# Altium PCB Goldstrike1_Rev01 2014 06 02 2.PcbDoc (part 6 of 6)
Units mm, origin at the board's own origin, x right, y up, seen from the top; angles counter-clockwise.
Board outline 110 x 255.5 mm, 4 copper layers (L1, L2, L3, L4), stack 1.577 mm thick; 658 components, 193 nets, 4346 pads, 2120 vias.
Unrouted connection lines stored in the file: 1041.
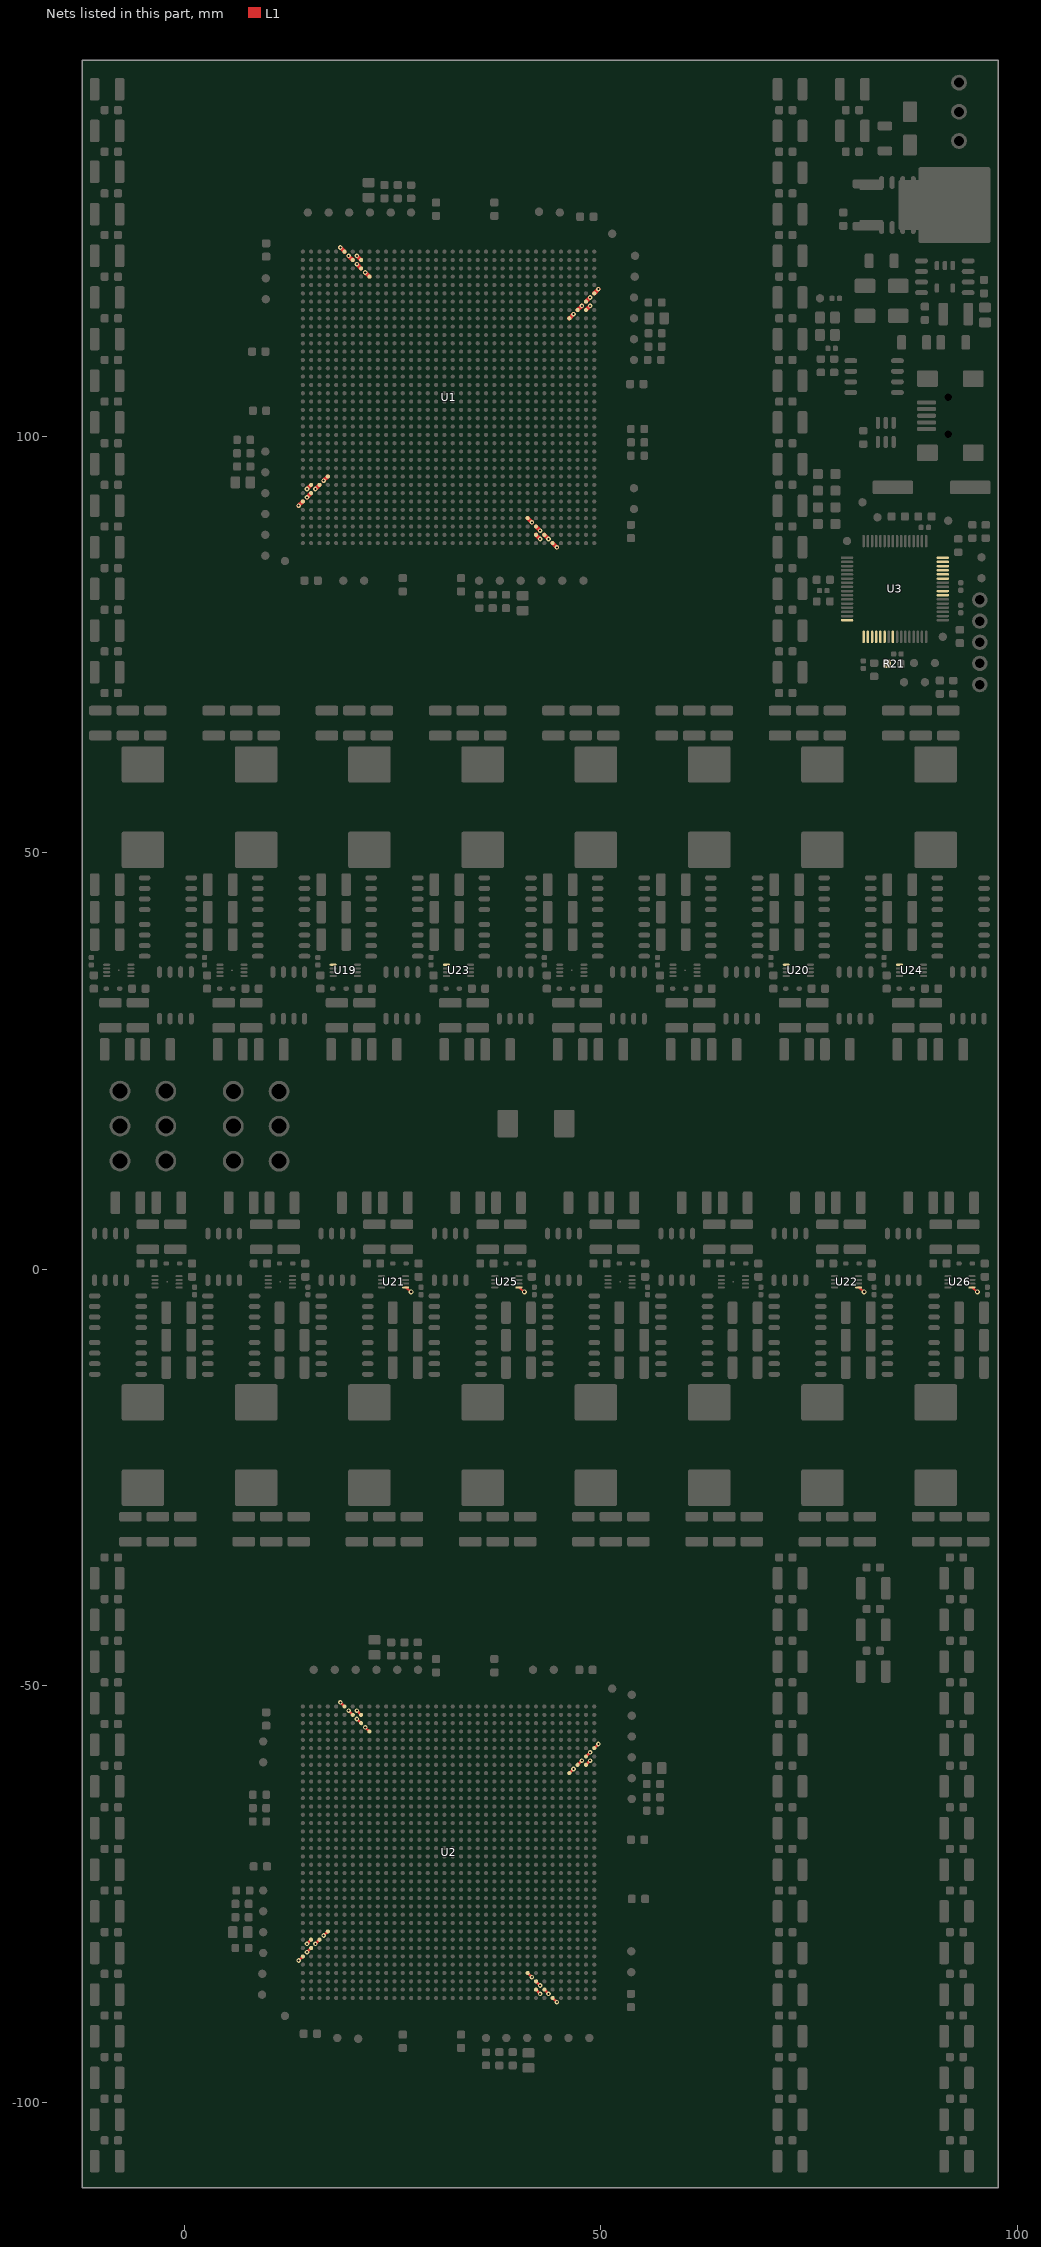
[diagram p8: the nets of this part, all layers, seen from the top]

## Via types
v1: diameter 0.55/0.55 (per signal layer), hole 0.25, L1 to L4, 1968 vias
v2: diameter 0.6/0.6 (per signal layer), hole 0.3, L1 to L4, 152 vias

## Nets (pads, with @x,y where several pads share a name; then routed paths per layer and width w, separated by ;. In a path a pad name is that pad's centre, name@x,y a point inside that pad or via, vN(x,y) a via of type N, cw(c..) or ccw(c..) an arc to the next point about the centre after c; other vN are vias at no path point) (continued)
PWM3H: U3.1 U20.5 U22.5 | length 0.9
  L1 w0.25: U22.5@80.95,-2.175 81.1,-2.175 81.1,-2.3 v2(81.6,-2.7)
PWM3L: U3.64 U19.5 U21.5 | length 0.9
  L1 w0.25: U21.5@26.55,-2.175 26.7,-2.175 26.7,-2.3 v2(27.2,-2.7)
PWM4H: U3.3 U24.5 U26.5 | length 0.9
  L1 w0.25: U26.5@94.55,-2.175 94.7,-2.175 94.7,-2.3 v2(95.2,-2.7)
PWM4L: U3.2 U23.5 U25.5 | length 0.9
  L1 w0.25: U25.5@40.15,-2.175 40.3,-2.175 40.3,-2.3 v2(40.8,-2.7)
RESET_COLD_L: R21.2 U1.AJ2 U1.AR29 U1.B8 U1.H35 U2.AJ2 U2.AR29 U2.B8 U2.H35 U3.8 | length 5.7
  L1 w0.3: v1(14.7,-81) U2.H35@15.2,-80.5 ; v1(20.7,-53) U2.AR29@21.2,-53.5 ; U2.B8@42.2,-86.5 v1(42.7,-87) ; U2.AJ2@48.2,-59.5 v1(48.7,-59)
  L1 w0.5: v1(14.7,93.7) U1.AJ2@15.2,94.2 ; v1(20.7,121.7) U1.B8@21.2,121.2 ; U1.AR29@42.2,88.2 v1(42.7,87.7) ; U1.H35@48.2,115.2 v1(48.7,115.7)
SPI_RXD: U1.A6 U1.AL1 U1.AT31 U1.F36 U2.A6 U2.AL1 U2.AT31 U2.F36 U3.6 | length 5.7
  L1 w0.3: v1(13.7,-83) U2.F36@14.2,-82.5 ; v1(18.7,-52) U2.AT31@19.2,-52.5 ; U2.A6@44.2,-87.5 v1(44.7,-88) ; U2.AL1@49.2,-57.5 v1(49.7,-57)
  L1 w0.5: v1(13.7,91.7) U1.AL1@14.2,92.2 ; v1(18.7,122.7) U1.A6@19.2,122.2 ; U1.AT31@44.2,87.2 v1(44.7,86.7) ; U1.F36@49.2,117.2 v1(49.7,117.7)
SPI_SCLK_IN: U1.AK2 U1.AR30 U1.B7 U1.G35 U2.AK2 U2.AR30 U2.B7 U2.G35 U3.4 | length 5.7
  L1 w0.3: v1(14.7,-82) U2.G35@15.2,-81.5 ; v1(19.7,-53) U2.AR30@20.2,-53.5 ; U2.B7@43.2,-86.5 v1(43.7,-87) ; U2.AK2@48.2,-58.5 v1(48.7,-58)
  L1 w0.5: v1(14.7,92.7) U1.AK2@15.2,93.2 ; v1(19.7,121.7) U1.B7@20.2,121.2 ; U1.AR30@43.2,88.2 v1(43.7,87.7) ; U1.G35@48.2,116.2 v1(48.7,116.7)
SPI_SS_IN_L_1: U1.AJ3 U3.32 | length 0.7
  L1 w0.5: v1(15.7,93.7) U1.AJ3@16.2,94.2
SPI_SS_IN_L_2: U1.AP29 U3.31 | length 0.7
  L1 w0.5: U1.AP29@42.2,89.2 v1(42.7,88.7)
SPI_SS_IN_L_3: U1.H34 U3.30 | length 0.7
  L1 w0.5: U1.H34@47.2,115.2 v1(47.7,115.7)
SPI_SS_IN_L_4: U1.C8 U3.29 | length 0.7
  L1 w0.5: v1(20.7,120.7) U1.C8@21.2,120.2
SPI_SS_IN_L_5: U2.AJ3 U3.28 | length 0.7
  L1 w0.3: U2.AJ3@47.2,-59.5 v1(47.7,-59)
SPI_SS_IN_L_6: U2.AP29 U3.27 | length 0.7
  L1 w0.3: v1(20.7,-54) U2.AP29@21.2,-54.5
SPI_SS_IN_L_7: U2.H34 U3.24 | length 0.7
  L1 w0.3: v1(15.7,-81) U2.H34@16.2,-80.5
SPI_SS_IN_L_8: U2.C8 U3.23 | length 0.7
  L1 w0.3: U2.C8@42.2,-85.5 v1(42.7,-86)
SPI_TXD: U1.AH4 U1.AN28 U1.D9 U1.J33 U2.AH4 U2.AN28 U2.D9 U2.J33 U3.5 | length 5.7
  L1 w0.3: v1(16.7,-80) U2.J33@17.2,-79.5 ; v1(21.7,-55) U2.AN28@22.2,-55.5 ; U2.D9@41.2,-84.5 v1(41.7,-85) ; U2.AH4@46.2,-60.5 v1(46.7,-60)
  L1 w0.5: v1(16.7,94.7) U1.AH4@17.2,95.2 ; v1(21.7,119.7) U1.D9@22.2,119.2 ; U1.AN28@41.2,90.2 v1(41.7,89.7) ; U1.J33@46.2,114.2 v1(46.7,114.7)
pads on no net: J2.4 J2.10 J2.11 U1.A3 U1.A4 U1.A13 U1.A14 U1.A15 U1.A16 U1.A18 U1.A20 U1.A21 U1.A22 U1.A23 U1.A25 U1.A26 U1.A27 U1.A28 U1.A30 U1.A31 U1.A32 U1.A33 U1.AA1 U1.AA2 U1.AA4 U1.AA33 U1.AA34 U1.AA36 U1.AB1 U1.AB2 U1.AB3 U1.AB4 U1.AB33 U1.AB34 U1.AB35 U1.AB36 U1.AC1 U1.AC3 U1.AC4 U1.AC33 U1.AC35 U1.AC36 U1.AD1 U1.AD2 U1.AD3 U1.AD34 U1.AD35 U1.AE2 U1.AE3 U1.AE34 U1.AE36 U1.AF33 U1.AF34 U1.AF36 U1.AG33 U1.AG34 U1.AG35 U1.AG36 U1.AH33 U1.AH35 U1.AH36 U1.AJ33 U1.AJ34 U1.AJ35 U1.AK3 U1.AK4 U1.AK34 U1.AK35 U1.AK36 U1.AL2 U1.AL4 U1.AL33 U1.AL34 U1.AL36 U1.AM2 U1.AM3 U1.AM4 U1.AM19 U1.AM33 U1.AM36 U1.AN1 U1.AN3 U1.AN4 U1.AN5 U1.AN6 U1.AN8 U1.AN9 U1.AN10 U1.AN11 U1.AN14 U1.AN15 U1.AN16 U1.AN20 U1.AN21 U1.AN22 U1.AN23 U1.AN30 U1.AN31 U1.AN32 U1.AN33 U1.AN35 U1.AN36 U1.AP1 U1.AP2 U1.AP3 U1.AP6 U1.AP7 U1.AP8 U1.AP10 U1.AP11 U1.AP12 U1.AP13 U1.AP15 U1.AP16 U1.AP17 U1.AP19 U1.AP20 U1.AP22 U1.AP23 U1.AP24 U1.AP25 U1.AP30 U1.AP32 U1.AP33 U1.AP34 U1.AP35 U1.AR2 U1.AR3 U1.AR4 U1.AR7 U1.AR8 U1.AR9 U1.AR10 U1.AR13 U1.AR14 U1.AR15 U1.AR17 U1.AR18 U1.AR19 U1.AR20 U1.AR21 U1.AR22 U1.AR24 U1.AR25 U1.AR31 U1.AR32 U1.AR34 U1.AR35 U1.AT4 U1.AT5 U1.AT6 U1.AT7 U1.AT9 U1.AT10 U1.AT11 U1.AT12 U1.AT14 U1.AT15 U1.AT16 U1.AT17 U1.AT19 U1.AT21 U1.AT22 U1.AT23 U1.AT24 U1.AT33 U1.AT34 U1.B2 U1.B3 U1.B5 U1.B6 U1.B12 U1.B13 U1.B15 U1.B16 U1.B17 U1.B18 U1.B19 U1.B20 U1.B22 U1.B23 U1.B24 U1.B27 U1.B28 U1.B29 U1.B30 U1.B33 U1.B34 U1.B35 U1.C2 U1.C3 U1.C4 U1.C5 U1.C7 U1.C12 U1.C13 U1.C14 U1.C15 U1.C17 U1.C18 U1.C20 U1.C21 U1.C22 U1.C24 U1.C25 U1.C26 U1.C27 U1.C29 U1.C30 U1.C31 U1.C34 U1.C35 U1.C36 U1.D1 U1.D2 U1.D4 U1.D5 U1.D6 U1.D7 U1.D14 U1.D15 U1.D16 U1.D17 U1.D21 U1.D22 U1.D23 U1.D26 U1.D27 U1.D28 U1.D29 U1.D31 U1.D32 U1.D33 U1.D34 U1.D36 U1.E1 U1.E4 U1.E18 U1.E33 U1.E34 U1.E35 U1.F1 U1.F3 U1.F4 U1.F33 U1.F35 U1.FID1 U1.FID2 U1.G1 U1.G2 U1.G3 U1.G33 U1.G34 U1.H2 U1.H3 U1.H4 U1.J1 U1.J2 U1.J4 U1.K1 U1.K2 U1.K3 U1.K4 U1.L1 U1.L3 U1.L4 U1.M1 U1.M3 U1.M34 U1.M35 U1.N2 U1.N3 U1.N34 U1.N35 U1.N36 U1.P1 U1.P2 U1.P4 U1.P33 U1.P34 U1.P36 U1.R1 U1.R2 U1.R3 U1.R4 U1.R33 U1.R34 U1.R35 U1.R36 U1.T1 U1.T3 U1.T4 U1.T33 U1.T35 U1.T36 U1.U1 U1.U2 U1.U3 U1.U33 U1.U34 U1.U35 U1.V2 U1.V32 U1.V34 U1.V35 U1.V36 U1.W1 U1.W2 U1.W3 U1.W5 U1.W35 U1.Y2 U1.Y3 U1.Y4 U1.Y34 U1.Y35 U1.Y36 U2.A3 U2.A4 U2.A13 U2.A14 U2.A15 U2.A16 U2.A18 U2.A20 U2.A21 U2.A22 U2.A23 U2.A25 U2.A26 U2.A27 U2.A28 U2.A30 U2.A31 U2.A32 U2.A33 U2.AA1 U2.AA2 U2.AA4 U2.AA33 U2.AA34 U2.AA36 U2.AB1 U2.AB2 U2.AB3 U2.AB4 U2.AB33 U2.AB34 U2.AB35 U2.AB36 U2.AC1 U2.AC3 U2.AC4 U2.AC33 U2.AC35 U2.AC36 U2.AD1 U2.AD2 U2.AD3 U2.AD34 U2.AD35 U2.AE2 U2.AE3 U2.AE34 U2.AE36 U2.AF33 U2.AF34 U2.AF36 U2.AG33 U2.AG34 U2.AG35 U2.AG36 U2.AH33 U2.AH35 U2.AH36 U2.AJ33 U2.AJ34 U2.AJ35 U2.AK3 U2.AK4 U2.AK34 U2.AK35 U2.AK36 U2.AL2 U2.AL4 U2.AL33 U2.AL34 U2.AL36 U2.AM2 U2.AM3 U2.AM4 U2.AM19 U2.AM33 U2.AM36 U2.AN1 U2.AN3 U2.AN4 U2.AN5 U2.AN6 U2.AN8 U2.AN9 U2.AN10 U2.AN11 U2.AN14 U2.AN15 U2.AN16 U2.AN20 U2.AN21 U2.AN22 U2.AN23 U2.AN30 U2.AN31 U2.AN32 U2.AN33 U2.AN35 U2.AN36 U2.AP1 U2.AP2 U2.AP3 U2.AP6 U2.AP7 U2.AP8 U2.AP10 U2.AP11 U2.AP12 U2.AP13 U2.AP15 U2.AP16 U2.AP17 U2.AP19 U2.AP20 U2.AP22 U2.AP23 U2.AP24 U2.AP25 U2.AP30 U2.AP32 U2.AP33 U2.AP34 U2.AP35 U2.AR2 U2.AR3 U2.AR4 U2.AR7 U2.AR8 U2.AR9 U2.AR10 U2.AR13 U2.AR14 U2.AR15 U2.AR17 U2.AR18 U2.AR19 U2.AR20 U2.AR21 U2.AR22 U2.AR24 U2.AR25 U2.AR31 U2.AR32 U2.AR34 U2.AR35 U2.AT4 U2.AT5 U2.AT6 U2.AT7 U2.AT9 U2.AT10 U2.AT11 U2.AT12 U2.AT14 U2.AT15 U2.AT16 U2.AT17 U2.AT19 U2.AT21 U2.AT22 U2.AT23 U2.AT24 U2.AT33 U2.AT34 U2.B2 U2.B3 U2.B5 U2.B6 U2.B12 U2.B13 U2.B15 U2.B16 U2.B17 U2.B18 U2.B19 U2.B20 U2.B22 U2.B23 U2.B24 U2.B27 U2.B28 U2.B29 U2.B30 U2.B33 U2.B34 U2.B35 U2.C2 U2.C3 U2.C4 U2.C5 U2.C7 U2.C12 U2.C13 U2.C14 U2.C15 U2.C17 U2.C18 U2.C20 U2.C21 U2.C22 U2.C24 U2.C25 U2.C26 U2.C27 U2.C29 U2.C30 U2.C31 U2.C34 U2.C35 U2.C36 U2.D1 U2.D2 U2.D4 U2.D5 U2.D6 U2.D7 U2.D14 U2.D15 U2.D16 U2.D17 U2.D21 U2.D22 U2.D23 U2.D26 U2.D27 U2.D28 U2.D29 U2.D31 U2.D32 U2.D33 U2.D34 U2.D36 U2.E1 U2.E4 U2.E18 U2.E33 U2.E34 U2.E35 U2.F1 U2.F3 U2.F4 U2.F33 U2.F35 U2.FID1 U2.FID2 U2.G1 U2.G2 U2.G3 U2.G33 U2.G34 U2.H2 U2.H3 U2.H4 U2.J1 U2.J2 U2.J4 U2.K1 U2.K2 U2.K3 U2.K4 U2.L1 U2.L3 U2.L4 U2.M1 U2.M3 U2.M34 U2.M35 U2.N2 U2.N3 U2.N34 U2.N35 U2.N36 U2.P1 U2.P2 U2.P4 U2.P33 U2.P34 U2.P36 U2.R1 U2.R2 U2.R3 U2.R4 U2.R33 U2.R34 U2.R35 U2.R36 U2.T1 U2.T3 U2.T4 U2.T33 U2.T35 U2.T36 U2.U1 U2.U2 U2.U3 U2.U33 U2.U34 U2.U35 U2.V2 U2.V32 U2.V34 U2.V35 U2.V36 U2.W1 U2.W2 U2.W3 U2.W5 U2.W35 U2.Y2 U2.Y3 U2.Y4 U2.Y34 U2.Y35 U2.Y36 U3.65 U3.66 U5.4 U6.2 U6.3 U6.4 U9.3 U9.4

## Polygon pours and split planes (outlines as drawn)
GND on L1 "L1-GND" (solid, remove dead copper, pour order 82): 85,29.6 85,28.4 86.6,28.4 87.4,27.6 87.4,24.4 90.8,21 90.8,12.6 89.2,11 89.2,4.8 95.6,4.8 95.6,6 94,6 93.3,6.7 93.3,9.7 95.65,12.05 95.65,20.95 91.2,25.4 91.2,29.6
GND on L1 "L1-GND 1" (solid, remove dead copper, pour order 54): 23.1,38.5 23.1,47.3 22.5,47.9 18.5,47.9 18.5,35.1 20.1,35.1 20.1,36.5 21.2,36.5 21.2,38.5
$1I84\SWN3 on L1 "L1-$1I84\SWN3" (solid, remove dead copper, pour order 64): 23.9,34.6 23.9,47.2 22.9,48.2 19.6,48.2 19.6,52.6 28.8,52.6 28.8,34.6
$1I84\SWN14 on L1 "L1-$1I84\SWN14" (solid, remove dead copper, pour order 67): 61.3,-0.2 61.3,-12.8 62.3,-13.8 65.6,-13.8 65.6,-18.2 56.4,-18.2 56.4,-0.2
$1I84\SWN8 on L1 "L1-$1I84\SWN8" (solid, remove dead copper, pour order 73): 91.9,34.6 91.9,47.2 90.9,48.2 87.6,48.2 87.6,52.6 96.8,52.6 96.8,34.6
GND on L1 "L1-GND 2" (solid, remove dead copper, pour order 44): 48.5,-4.1 48.5,-12.9 49.1,-13.5 53.1,-13.5 53.1,-0.7 51.5,-0.7 51.5,-2.1 50.4,-2.1 50.4,-4.1
GND on L1 "L1-GND 3" (solid, remove dead copper, pour order 59): 50.3,38.5 50.3,47.3 49.7,47.9 45.7,47.9 45.7,35.1 47.3,35.1 47.3,36.5 48.4,36.5 48.4,38.5
12V on L1 "L1-12V" (solid, remove dead copper, pour order 86): -12.3,34.2 97.7,34.2 97.7,0.2 -12.3,0.2
GND on L1 "L1-GND 4" (solid, remove dead copper, pour order 78): 44.2,29.6 44.2,28.4 45.8,28.4 46.6,27.6 46.6,24.4 50,21 50,12.6 48.4,11 48.4,4.8 54.8,4.8 54.8,6 53.2,6 52.5,6.7 52.5,9.7 54.85,12.05 54.85,20.95 50.4,25.4 50.4,29.6
$1I84\SWN5 on L1 "L1-$1I84\SWN5" (solid, remove dead copper, pour order 72): 51.1,34.6 51.1,47.2 50.1,48.2 46.8,48.2 46.8,52.6 56,52.6 56,34.6
$1I84\SWN1 on L1 "L1-$1I84\SWN1" (solid, remove dead copper, pour order 68): -3.3,34.6 -3.3,47.2 -4.3,48.2 -7.6,48.2 -7.6,52.6 1.6,52.6 1.6,34.6
GND on L1 "L1-GND 5" (solid, remove dead copper, pour order 76): 57.8,29.6 57.8,28.4 59.4,28.4 60.2,27.6 60.2,24.4 63.6,21 63.6,12.6 62,11 62,4.8 68.4,4.8 68.4,6 66.8,6 66.1,6.7 66.1,9.7 68.45,12.05 68.45,20.95 64,25.4 64,29.6
GND on L1 "L1-GND 6" (solid, remove dead copper, pour order 81): -10.2,29.6 -10.2,28.4 -8.6,28.4 -7.8,27.6 -7.8,24.4 -4.4,21 -4.4,12.6 -6,11 -6,4.8 0.4,4.8 0.4,6 -1.2,6 -1.9,6.7 -1.9,9.7 0.45,12.05 0.45,20.95 -4,25.4 -4,29.6
GND on L1 "L1-GND 7" (solid, remove dead copper, pour order 56): 75.7,-4.1 75.7,-12.9 76.3,-13.5 80.3,-13.5 80.3,-0.7 78.7,-0.7 78.7,-2.1 77.6,-2.1 77.6,-4.1
GND on L1 "L1-GND 8" (solid, remove dead copper, pour order 83): 3.4,29.581 3.4,28.381 5,28.381 5.8,27.581 5.8,24.381 9.2,20.981 9.2,12.581 7.6,10.981 7.6,4.781 14,4.781 14,5.981 12.4,5.981 11.7,6.681 11.7,9.681 14.05,12.031 14.05,20.931 9.6,25.381 9.6,29.581
$1I84\SWN10 on L1 "L1-$1I84\SWN10" (solid, remove dead copper, pour order 70): 6.9,-0.2 6.9,-12.8 7.9,-13.8 11.2,-13.8 11.2,-18.2 2,-18.2 2,-0.2
GND on L1 "L1-GND 9" (solid, remove dead copper, pour order 77): 30.6,29.6 30.6,28.4 32.2,28.4 33,27.6 33,24.4 36.4,21 36.4,12.6 34.8,11 34.8,4.8 41.2,4.8 41.2,6 39.6,6 38.9,6.7 38.9,9.7 41.25,12.05 41.25,20.95 36.8,25.4 36.8,29.6
GND on L1 "L1-GND 10" (solid, remove dead copper, pour order 52): 21.3,-4.1 21.3,-12.9 21.9,-13.5 25.9,-13.5 25.9,-0.7 24.3,-0.7 24.3,-2.1 23.2,-2.1 23.2,-4.1
GND on L1 "L1-GND 11" (solid, remove dead copper, pour order 57): 9.5,38.5 9.5,47.3 8.9,47.9 4.9,47.9 4.9,35.1 6.5,35.1 6.5,36.5 7.6,36.5 7.6,38.5
$1I84\SWN12 on L1 "L1-$1I84\SWN12" (solid, remove dead copper, pour order 75): 34.1,-0.2 34.1,-12.8 35.1,-13.8 38.4,-13.8 38.4,-18.2 29.2,-18.2 29.2,-0.2
GND on L1 "L1-GND 12" (solid, remove dead copper, pour order 58): 34.9,-4.1 34.9,-12.9 35.5,-13.5 39.5,-13.5 39.5,-0.7 37.9,-0.7 37.9,-2.1 36.8,-2.1 36.8,-4.1
GND on L1 "L1-GND 13" (solid, remove dead copper, pour order 80): 71.4,29.6 71.4,28.4 73,28.4 73.8,27.6 73.8,24.4 77.2,21 77.2,12.6 75.6,11 75.6,4.8 82,4.8 82,6 80.4,6 79.7,6.7 79.7,9.7 82.05,12.05 82.05,20.95 77.6,25.4 77.6,29.6
$1I84\SWN13 on L1 "L1-$1I84\SWN13" (solid, remove dead copper, pour order 69): 47.7,-0.2 47.7,-12.8 48.7,-13.8 52,-13.8 52,-18.2 42.8,-18.2 42.8,-0.2
GND on L1 "L1-GND 14" (solid, remove dead copper, pour order 46): -5.9,-4.1 -5.9,-12.9 -5.3,-13.5 -1.3,-13.5 -1.3,-0.7 -2.9,-0.7 -2.9,-2.1 -4,-2.1 -4,-4.1
GND on L1 "L1-GND 15" (solid, remove dead copper, pour order 47): 7.7,-4.1 7.7,-12.9 8.3,-13.5 12.3,-13.5 12.3,-0.7 10.7,-0.7 10.7,-2.1 9.6,-2.1 9.6,-4.1
$1I84\SWN4 on L1 "L1-$1I84\SWN4" (solid, remove dead copper, pour order 65): 37.5,34.6 37.5,47.2 36.5,48.2 33.2,48.2 33.2,52.6 42.4,52.6 42.4,34.6
GND on L1 "L1-GND 16" (solid, remove dead copper, pour order 45): 89.3,-4.1 89.3,-12.9 89.9,-13.5 93.9,-13.5 93.9,-0.7 92.3,-0.7 92.3,-2.1 91.2,-2.1 91.2,-4.1
GND on L1 "L1-GND 17" (solid, remove dead copper, pour order 50): 91.1,38.5 91.1,47.3 90.5,47.9 86.5,47.9 86.5,35.1 88.1,35.1 88.1,36.5 89.2,36.5 89.2,38.5
$1I84\SWN6 on L1 "L1-$1I84\SWN6" (solid, remove dead copper, pour order 62): 64.7,34.6 64.7,47.2 63.7,48.2 60.4,48.2 60.4,52.6 69.6,52.6 69.6,34.6
$1I84\SWN2 on L1 "L1-$1I84\SWN2" (solid, remove dead copper, pour order 60): 10.3,34.6 10.3,47.2 9.3,48.2 6,48.2 6,52.6 15.2,52.6 15.2,34.6
GND on L1 "L1-GND 18" (solid, remove dead copper, pour order 53): 62.1,-4.1 62.1,-12.9 62.7,-13.5 66.7,-13.5 66.7,-0.7 65.1,-0.7 65.1,-2.1 64,-2.1 64,-4.1
$1I84\SWN7 on L1 "L1-$1I84\SWN7" (solid, remove dead copper, pour order 66): 78.3,34.6 78.3,47.2 77.3,48.2 74,48.2 74,52.6 83.2,52.6 83.2,34.6
1V on L1 "L1-1V" (solid, remove dead copper, pour order 85): -12.3,-3.8 97.7,-3.8 97.7,-30.7 -12.3,-30.7
$1I84\SWN15 on L1 "L1-$1I84\SWN15" (solid, remove dead copper, pour order 61): 74.9,-0.2 74.9,-12.8 75.9,-13.8 79.2,-13.8 79.2,-18.2 70,-18.2 70,-0.2
1V on L1 "L1-1V 1" (solid, remove dead copper, pour order 84): 97.7,38.2 -12.3,38.2 -12.3,65.1 97.7,65.1
$1I84\SWN11 on L1 "L1-$1I84\SWN11" (solid, remove dead copper, pour order 63): 20.5,-0.2 20.5,-12.8 21.5,-13.8 24.8,-13.8 24.8,-18.2 15.6,-18.2 15.6,-0.2
GND on L1 "L1-GND 19" (solid, remove dead copper, pour order 49): -4.1,38.5 -4.1,47.3 -4.7,47.9 -8.7,47.9 -8.7,35.1 -7.1,35.1 -7.1,36.5 -6,36.5 -6,38.5
GND on L1 "L1-GND 20" (solid, remove dead copper, pour order 48): 36.7,38.5 36.7,47.3 36.1,47.9 32.1,47.9 32.1,35.1 33.7,35.1 33.7,36.5 34.8,36.5 34.8,38.5
GND on L1 "L1-GND 21" (solid, remove dead copper, pour order 79): 17,29.6 17,28.4 18.6,28.4 19.4,27.6 19.4,24.4 22.8,21 22.8,12.6 21.2,11 21.2,4.8 27.6,4.8 27.6,6 26,6 25.3,6.7 25.3,9.7 27.65,12.05 27.65,20.95 23.2,25.4 23.2,29.6
GND on L1 "L1-GND 22" (solid, remove dead copper, pour order 51): 77.5,38.5 77.5,47.3 76.9,47.9 72.9,47.9 72.9,35.1 74.5,35.1 74.5,36.5 75.6,36.5 75.6,38.5
$1I84\SWN16 on L1 "L1-$1I84\SWN16" (solid, remove dead copper, pour order 71): 88.5,-0.2 88.5,-12.8 89.5,-13.8 92.8,-13.8 92.8,-18.2 83.6,-18.2 83.6,-0.2
$1I84\SWN9 on L1 "L1-$1I84\SWN9" (solid, remove dead copper, pour order 74): -6.7,-0.2 -6.7,-12.8 -5.7,-13.8 -2.4,-13.8 -2.4,-18.2 -11.6,-18.2 -11.6,-0.2
GND on L1 "L1-GND 23" (solid, remove dead copper, pour order 55): 63.9,38.5 63.9,47.3 63.3,47.9 59.3,47.9 59.3,35.1 60.9,35.1 60.9,36.5 62,36.5 62,38.5
GND on L2 (split plane): 97.598,-110.198 -12.198,-110.198 -12.198,145.098 97.598,145.098
1V on L3 (split plane): 97.598,-110.198 -12.198,-110.198 -12.198,145.098 97.598,145.098

## Keep-outs
Keep-Out Layer:
  the board outline again, w1

## Other copper
L2 (plane layer: these items are gaps in the copper):
  the board outline again, w0.2
L3 (plane layer: these items are gaps in the copper):
  the board outline again, w0.2
Multi-Layer:
  lines w0.05: -33.2,-134.55 -33.2,-134.7 -33.05,-134.7
  lines w0.1: -28.2,-122.2 -23.2,-122.2 161.8,-122.2 ; -28.2,-77.2 -23.2,-77.2 -23.2,-129.7 ; -28.2,-36.162 -23.2,-36.162 ; -28.2,13.838 -23.2,13.838 ; -28.2,63.838 -23.2,63.838 ; -28.2,113.876 -23.2,113.876 ; -23.2,157.3 -23.2,-129.7 ; -22.95,-129.7 161.8,-129.7 ; 161.8,-77.2 161.8,-129.7 ; -23.2,-129.7 161.8,-129.7 ; -23.2,-129.7 -28.2,-129.7 -28.2,157.3 161.8,157.3 161.8,-129.7 ; -23.2,-129.7 161.8,-129.7 ; -23.2,-129.7 161.8,-129.7
  text "Printed copies of this document are uncontrolled and may NOT be current. All information is strictly CONFIDENTIAL." at -22.55,-124.75 h1.05
  text "IMI Group reserves all rights even in the event of industrial property rights." at 85.55,-124.75 h1.05
  text "We reserve all rights of disposal such as copying and passing on to third parties." at -22.6,-128.2 h1.05

## Silkscreen, mask and mechanical layers (free items; w line width, h text height)
26_Silkscreen Top:
  text "TECHNOBIT" at 74.879,70.58 h3